# Altium PCB PA_8CH_CTRL.PcbDoc (part 1 of 11) (continued)
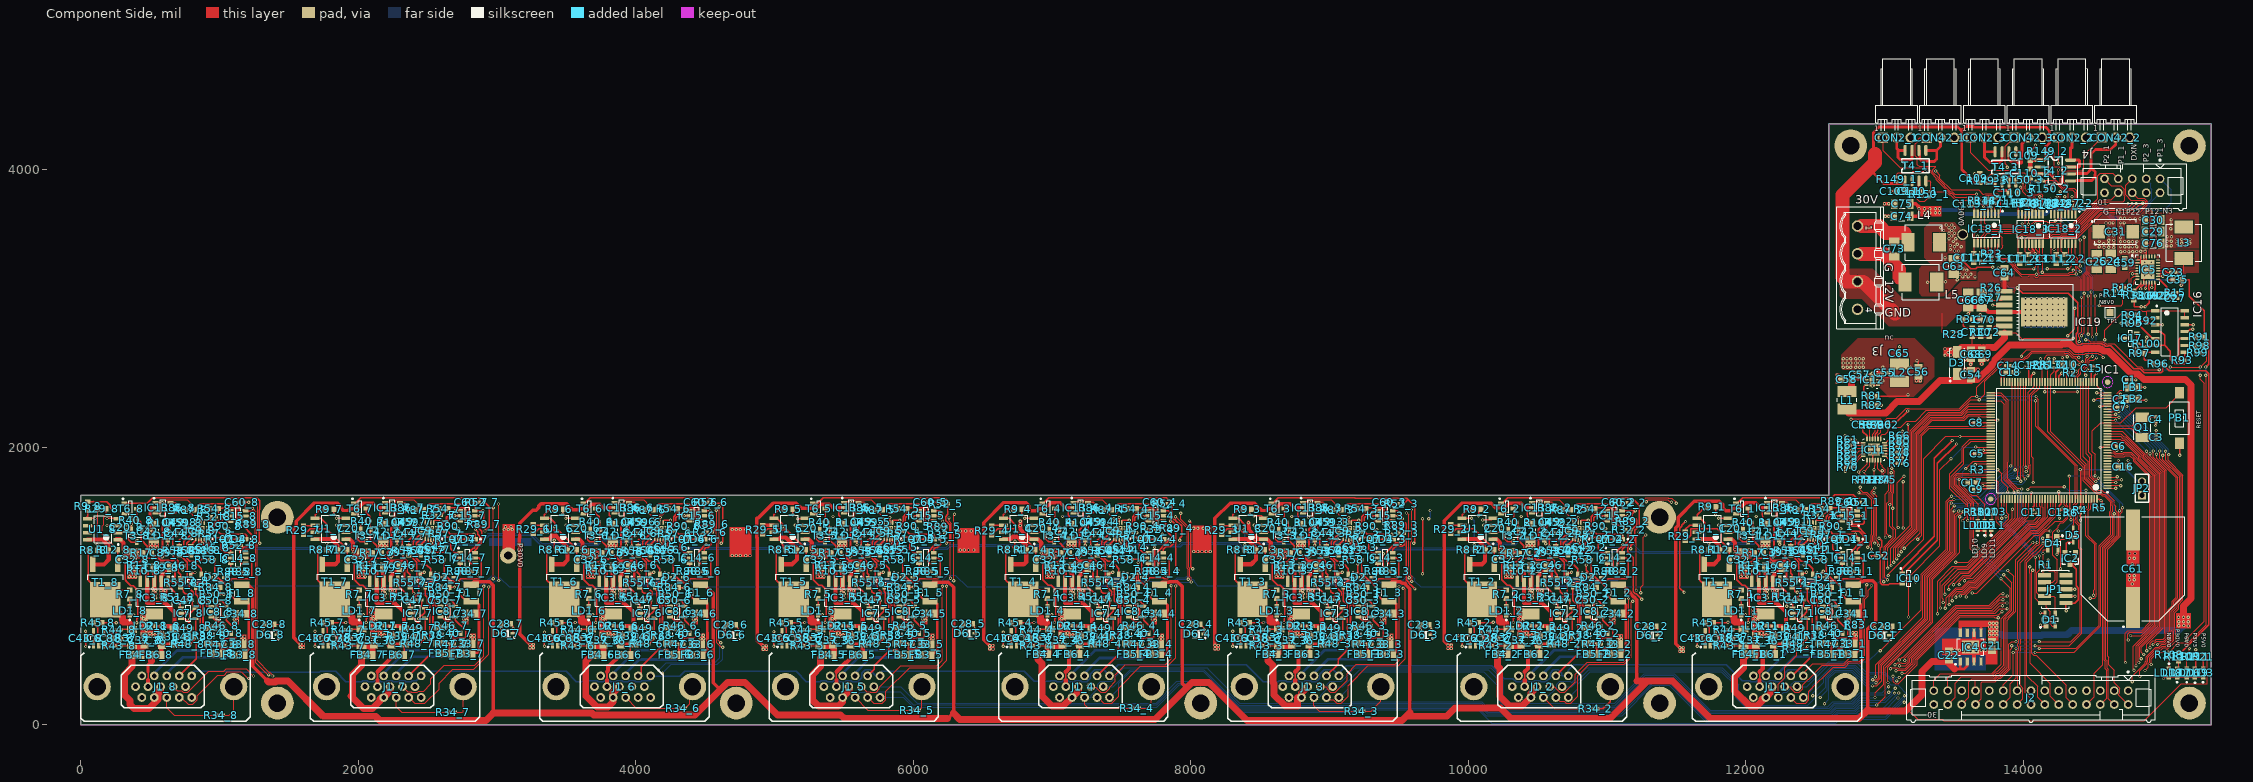
[diagram p0: Component Side view]
## Components (designator, comment, footprint, x,y, rotation, side; value= is the part's Value field where it differs from the comment) (continued)
C34_6 "1uF" CAPC2012X110N 4462.09,802.14 r0 top (schematic designator C34)
C34_7 "1uF" CAPC2012X110N 2808.54,802.14 r0 top (schematic designator C34)
C34_8 "1uF" CAPC2012X110N 1155,801 r0 top (schematic designator C34)
C35 "2.2uF" CAPC1608X87N 15111.86,3209.61 r180 top
C36_1 "1uF" CAPC2012X110N 12201.17,607.14 r270 top (schematic designator C36)
C36_2 "1uF" CAPC2012X110N 10508.26,607.14 r270 top (schematic designator C36)
C36_3 "1uF" CAPC2012X110N 8854.72,607.14 r270 top (schematic designator C36)
C36_4 "1uF" CAPC2012X110N 7201.17,607.14 r270 top (schematic designator C36)
C36_5 "1uF" CAPC2012X110N 5547.63,607.14 r270 top (schematic designator C36)
C36_6 "1uF" CAPC2012X110N 3894.09,607.14 r270 top (schematic designator C36)
C36_7 "1uF" CAPC2012X110N 2240.54,607.14 r270 top (schematic designator C36)
C36_8 "1uF" CAPC2012X110N 587,606 r270 top (schematic designator C36)
C37_1 "1uF" CAPC2012X110N 12074.17,610 r270 top (schematic designator C37)
C37_2 "1uF" CAPC2012X110N 10381.26,610 r270 top (schematic designator C37)
C37_3 "1uF" CAPC2012X110N 8727.72,610 r270 top (schematic designator C37)
C37_4 "1uF" CAPC2012X110N 7074.17,610 r270 top (schematic designator C37)
C37_5 "1uF" CAPC2012X110N 5420.63,610 r270 top (schematic designator C37)
C37_6 "1uF" CAPC2012X110N 3767.09,610 r270 top (schematic designator C37)
C37_7 "1uF" CAPC2012X110N 2113.54,610 r270 top (schematic designator C37)
C37_8 "1uF" CAPC2012X110N 460,608.86 r270 top (schematic designator C37)
C38_1 "10nF" CAPC1608X87N 11874.17,625 r180 top (schematic designator C38)
C38_2 "10nF" CAPC1608X87N 10181.26,625 r180 top (schematic designator C38)
C38_3 "10nF" CAPC1608X87N 8527.72,625 r180 top (schematic designator C38)
C38_4 "10nF" CAPC1608X87N 6874.17,625 r180 top (schematic designator C38)
C38_5 "10nF" CAPC1608X87N 5220.63,625 r180 top (schematic designator C38)
C38_6 "10nF" CAPC1608X87N 3567.09,625 r180 top (schematic designator C38)
C38_7 "10nF" CAPC1608X87N 1913.54,625 r180 top (schematic designator C38)
C38_8 "10nF" CAPC1608X87N 260,623.86 r180 top (schematic designator C38)
C39_1 "100nF" CAPC1005X55N 12233.17,1243.14 r180 top (schematic designator C39)
C39_2 "100nF" CAPC1005X55N 10540.26,1243.14 r180 top (schematic designator C39)
C39_3 "100nF" CAPC1005X55N 8886.72,1243.14 r180 top (schematic designator C39)
C39_4 "100nF" CAPC1005X55N 7233.17,1243.14 r180 top (schematic designator C39)
C39_5 "100nF" CAPC1005X55N 5579.63,1243.14 r180 top (schematic designator C39)
C39_6 "100nF" CAPC1005X55N 3926.09,1243.14 r180 top (schematic designator C39)
C39_7 "100nF" CAPC1005X55N 2272.54,1243.14 r180 top (schematic designator C39)
C39_8 "100nF" CAPC1005X55N 619,1242 r180 top (schematic designator C39)
C40_1 "10nF" CAPC1608X87N 12660.17,661.14 r180 top (schematic designator C40)
C40_2 "10nF" CAPC1608X87N 10967.26,661.14 r180 top (schematic designator C40)
C40_3 "10nF" CAPC1608X87N 9313.72,661.14 r180 top (schematic designator C40)
C40_4 "10nF" CAPC1608X87N 7660.17,661.14 r180 top (schematic designator C40)
C40_5 "10nF" CAPC1608X87N 6006.63,661.14 r180 top (schematic designator C40)
C40_6 "10nF" CAPC1608X87N 4353.09,661.14 r180 top (schematic designator C40)
C40_7 "10nF" CAPC1608X87N 2699.54,661.14 r180 top (schematic designator C40)
C40_8 "10nF" CAPC1608X87N 1046,660 r180 top (schematic designator C40)
C41_1 "10nF" CAPC1608X87N 12399.02,635.08 r180 top (schematic designator C41)
C41_2 "10nF" CAPC1608X87N 10706.1,635.08 r180 top (schematic designator C41)
C41_3 "10nF" CAPC1608X87N 9052.56,635.08 r180 top (schematic designator C41)
C41_4 "10nF" CAPC1608X87N 7399.02,635.08 r180 top (schematic designator C41)
C41_5 "10nF" CAPC1608X87N 5745.47,635.08 r180 top (schematic designator C41)
C41_6 "10nF" CAPC1608X87N 4091.93,635.08 r180 top (schematic designator C41)
C41_7 "10nF" CAPC1608X87N 2438.39,635.08 r180 top (schematic designator C41)
C41_8 "10nF" CAPC1608X87N 784.84,633.94 r180 top (schematic designator C41)
C42_1 "10uF" CAPC3216X140N 12142.13,1392.95 r90 top (schematic designator C42)
C42_2 "10uF" CAPC3216X140N 10449.21,1392.95 r90 top (schematic designator C42)
C42_3 "10uF" CAPC3216X140N 8795.67,1392.95 r90 top (schematic designator C42)
C42_4 "10uF" CAPC3216X140N 7142.13,1392.95 r90 top (schematic designator C42)
C42_5 "10uF" CAPC3216X140N 5488.58,1392.95 r90 top (schematic designator C42)
C42_6 "10uF" CAPC3216X140N 3835.04,1392.95 r90 top (schematic designator C42)
C42_7 "10uF" CAPC3216X140N 2181.5,1392.95 r90 top (schematic designator C42)
C42_8 "10uF" CAPC3216X140N 527.95,1391.81 r90 top (schematic designator C42)
C43_1 "100nF" CAPC1005X55N 11649.17,625 r90 top (schematic designator C43)
C43_2 "100nF" CAPC1005X55N 9956.26,625 r90 top (schematic designator C43)
C43_3 "100nF" CAPC1005X55N 8302.72,625 r90 top (schematic designator C43)
C43_4 "100nF" CAPC1005X55N 6649.17,625 r90 top (schematic designator C43)
C43_5 "100nF" CAPC1005X55N 4995.63,625 r90 top (schematic designator C43)
C43_6 "100nF" CAPC1005X55N 3342.09,625 r90 top (schematic designator C43)
C43_7 "100nF" CAPC1005X55N 1688.54,625 r90 top (schematic designator C43)
C43_8 "100nF" CAPC1005X55N 35,623.86 r90 top (schematic designator C43)
C44_1 "100nF" CAPC1005X55N 12340.17,1381.14 r180 top (schematic designator C44)
C44_2 "100nF" CAPC1005X55N 10647.26,1381.14 r180 top (schematic designator C44)
C44_3 "100nF" CAPC1005X55N 8993.72,1381.14 r180 top (schematic designator C44)
C44_4 "100nF" CAPC1005X55N 7340.17,1381.14 r180 top (schematic designator C44)
C44_5 "100nF" CAPC1005X55N 5686.63,1381.14 r180 top (schematic designator C44)
C44_6 "100nF" CAPC1005X55N 4033.09,1381.14 r180 top (schematic designator C44)
C44_7 "100nF" CAPC1005X55N 2379.54,1381.14 r180 top (schematic designator C44)
C44_8 "100nF" CAPC1005X55N 726,1380 r180 top (schematic designator C44)
C45_1 "100nF" CAPC1005X55N 12564.17,1279.14 r180 top (schematic designator C45)
C45_2 "100nF" CAPC1005X55N 10871.26,1279.14 r180 top (schematic designator C45)
C45_3 "100nF" CAPC1005X55N 9217.72,1279.14 r180 top (schematic designator C45)
C45_4 "100nF" CAPC1005X55N 7564.17,1279.14 r180 top (schematic designator C45)
C45_5 "100nF" CAPC1005X55N 5910.63,1279.14 r180 top (schematic designator C45)
C45_6 "100nF" CAPC1005X55N 4257.09,1279.14 r180 top (schematic designator C45)
C45_7 "100nF" CAPC1005X55N 2603.54,1279.14 r180 top (schematic designator C45)
C45_8 "100nF" CAPC1005X55N 950,1278 r180 top (schematic designator C45)
C46_1 "100nF" CAPC1005X55N 12340,1150 r0 top (schematic designator C46)
C46_2 "100nF" CAPC1005X55N 10645,1149 r0 top (schematic designator C46)
C46_3 "100nF" CAPC1005X55N 8994,1149 r0 top (schematic designator C46)
C46_4 "100nF" CAPC1005X55N 7341,1149 r0 top (schematic designator C46)
C46_5 "100nF" CAPC1005X55N 5687,1150 r0 top (schematic designator C46)
C46_6 "100nF" CAPC1005X55N 4033,1150 r0 top (schematic designator C46)
C46_7 "100nF" CAPC1005X55N 2379,1149 r0 top (schematic designator C46)
C46_8 "100nF" CAPC1005X55N 724,1148 r0 top (schematic designator C46)
C47_1 "100nF" CAPC1005X55N 12399.17,900 r0 top (schematic designator C47)
C47_2 "100nF" CAPC1005X55N 10706.26,900 r0 top (schematic designator C47)
C47_3 "100nF" CAPC1005X55N 9052.72,900 r0 top (schematic designator C47)
C47_4 "100nF" CAPC1005X55N 7399.17,900 r0 top (schematic designator C47)
C47_5 "100nF" CAPC1005X55N 5745.63,900 r0 top (schematic designator C47)
C47_6 "100nF" CAPC1005X55N 4092.09,900 r0 top (schematic designator C47)
C47_7 "100nF" CAPC1005X55N 2438.54,900 r0 top (schematic designator C47)
C47_8 "100nF" CAPC1005X55N 785,898.86 r0 top (schematic designator C47)
C48_1 "Undefined" CAPC1005X55N 12460.17,1260.14 r90 top (schematic designator C48)
C48_2 "Undefined" CAPC1005X55N 10767.26,1260.14 r90 top (schematic designator C48)
C48_3 "Undefined" CAPC1005X55N 9113.72,1260.14 r90 top (schematic designator C48)
C48_4 "Undefined" CAPC1005X55N 7460.17,1260.14 r90 top (schematic designator C48)
C48_5 "Undefined" CAPC1005X55N 5806.63,1260.14 r90 top (schematic designator C48)
C48_6 "Undefined" CAPC1005X55N 4153.09,1260.14 r90 top (schematic designator C48)
C48_7 "Undefined" CAPC1005X55N 2499.54,1260.14 r90 top (schematic designator C48)
C48_8 "Undefined" CAPC1005X55N 846,1259 r90 top (schematic designator C48)
C49_1 "100nF" CAPC1005X55N 12327.17,1462.14 r90 top (schematic designator C49)
C49_2 "100nF" CAPC1005X55N 10634.26,1462.14 r90 top (schematic designator C49)
C49_3 "100nF" CAPC1005X55N 8980.72,1462.14 r90 top (schematic designator C49)
C49_4 "100nF" CAPC1005X55N 7327.17,1462.14 r90 top (schematic designator C49)
C49_5 "100nF" CAPC1005X55N 5673.63,1462.14 r90 top (schematic designator C49)
C49_6 "100nF" CAPC1005X55N 4020.09,1462.14 r90 top (schematic designator C49)
C49_7 "100nF" CAPC1005X55N 2366.54,1462.14 r90 top (schematic designator C49)
C49_8 "100nF" CAPC1005X55N 713,1461 r90 top (schematic designator C49)
C50_1 "100nF" CAPC1005X55N 12585,898 r180 top (schematic designator C50)
C50_2 "100nF" CAPC1005X55N 10894,903 r180 top (schematic designator C50)
C50_3 "100nF" CAPC1005X55N 9239,899 r180 top (schematic designator C50)
C50_4 "100nF" CAPC1005X55N 7585,899 r180 top (schematic designator C50)
C50_5 "100nF" CAPC1005X55N 5931,900 r180 top (schematic designator C50)
C50_6 "100nF" CAPC1005X55N 4278,898 r180 top (schematic designator C50)
C50_7 "100nF" CAPC1005X55N 2624,899 r180 top (schematic designator C50)
C50_8 "100nF" CAPC1005X55N 971,896 r180 top (schematic designator C50)
C51_1 "100nF" CAPC1005X55N 12501.17,1261.14 r270 top (schematic designator C51)
C51_2 "100nF" CAPC1005X55N 10808.26,1261.14 r270 top (schematic designator C51)
C51_3 "100nF" CAPC1005X55N 9154.72,1261.14 r270 top (schematic designator C51)
C51_4 "100nF" CAPC1005X55N 7501.17,1261.14 r270 top (schematic designator C51)
C51_5 "100nF" CAPC1005X55N 5847.63,1261.14 r270 top (schematic designator C51)
C51_6 "100nF" CAPC1005X55N 4194.09,1261.14 r270 top (schematic designator C51)
C51_7 "100nF" CAPC1005X55N 2540.54,1261.14 r270 top (schematic designator C51)
C51_8 "100nF" CAPC1005X55N 887,1260 r270 top (schematic designator C51)
C52 "100nF" CAPC1005X55N 12957,1218 r180 top
C53 "100nF" CAPC1005X55N 12844.13,2161.52 r90 top
C54 "22uF" CAPC2012X135N 13623.03,2523.62 r90 top
C55 "100nF" CAPC1005X55N 13001,2538 r180 top
C56 "22uF" CAPC2012X135N 13244,2546 r90 top
C57 "100nF" CAPC1005X55N 12820,2522 r270 top
C58 "22uF" CAPC2012X135N 12727,2490 r0 top
C59 "100nF" CAPC1608X87N 14729.33,3329.72 r90 top
C60_1 "100nF" CAPC1005X55N 12775.51,1604.69 r0 top (schematic designator C60)
C60_2 "100nF" CAPC1005X55N 11082.6,1604.69 r0 top (schematic designator C60)
C60_3 "100nF" CAPC1005X55N 9429.06,1604.69 r0 top (schematic designator C60)
C60_4 "100nF" CAPC1005X55N 7775.51,1604.69 r0 top (schematic designator C60)
C60_5 "100nF" CAPC1005X55N 6121.97,1604.69 r0 top (schematic designator C60)
C60_6 "100nF" CAPC1005X55N 4468.43,1604.69 r0 top (schematic designator C60)
C60_7 "100nF" CAPC1005X55N 2814.88,1604.69 r0 top (schematic designator C60)
C60_8 "100nF" CAPC1005X55N 1161.34,1603.54 r0 top (schematic designator C60)
C61 "4700uF" CAPAE1900X1680N 14790,1125 r90 top
C62 "1nF" CAPC1005X55N 14951.86,3093.61 r90 top
C63 "10uF" CAPC3216X190N 13499.02,3304.13 r90 top
C64 "22uF" CAPC2012X135N 13864.17,3257.87 r270 top
C65 "100nF" CAPC1005X55N 13107,2677 r90 top
C66 "10uF" CAPC3216X190N 13602.36,3061.02 r90 top
C67 "10uF" CAPC3216X190N 13700.79,3061.02 r90 top
C68 "22uF" CAPC2012X135N 13623.03,2670.28 r90 top
C69 "22uF" CAPC2012X135N 13700.79,2671.26 r90 top
C70 "10nF" CAPC1608X87N 13721.46,2921.06 r0 top
C71 "10nF" CAPC1608X87N 13632.87,2829.53 r270 top
C72 "10nF" CAPC1608X87N 13752.95,2830.51 r270 top
C73 "10uF" CAPC3216X190N 13070,3430 r90 top
C74 "22uF" CAPC3216X180N 13125,3665 r0 top
C75 "22uF" CAPC3216X180N 13128,3755 r0 top
C76 "22uF" CAPC3216X180N 14935,3470 r180 top
C109_1 "1uF" CAPC1608X87N 13113.19,3846.46 r0 top (schematic designator C109)
C109_2 "1uF" CAPC1608X87N 14050,4100 r270 top (schematic designator C109)
C109_3 "1uF" CAPC1608X87N 13687.01,3940.94 r270 top (schematic designator C109)
C110_1 "1uF" CAPC1608X87N 13239.17,3847.44 r180 top (schematic designator C110)
C110_2 "1uF" CAPC1608X87N 14050,3975 r90 top (schematic designator C110)
C110_3 "1uF" CAPC1608X87N 13930.12,3833.66 r180 top (schematic designator C110)
C111_1 "1nF" CAPC1608X87N 13641.73,3365.16 r90 top (schematic designator C111)
C111_2 "1nF" CAPC1608X87N 14237.2,3358.27 r270 top (schematic designator C111)
C111_3 "1nF" CAPC1608X87N 13975.39,3358.27 r90 top (schematic designator C111)
C112_1 "1nF" CAPC1608X87N 13700.79,3365.16 r270 top (schematic designator C112)
C112_2 "1nF" CAPC1608X87N 14297.24,3358.27 r90 top (schematic designator C112)
C112_3 "1nF" CAPC1608X87N 14035.43,3358.27 r270 top (schematic designator C112)
C113_1 "100nF" CAPC0603X33N 13637.8,3754.92 r270 top (schematic designator C113)
C113_2 "100nF" CAPC0603X33N 14195.87,3751.97 r270 top (schematic designator C113)
C113_3 "100nF" CAPC0603X33N 13957.68,3753.94 r270 top (schematic designator C113)
CON2_1 "WF03R (any color) Maritex" MOLEX_22-05-7038 13087.61,4232.09 r0 top (schematic designator CON2)
CON2_2 "WF03R (any color) Maritex" MOLEX_22-05-7038 14351.39,4233.08 r0 top (schematic designator CON2)
CON2_3 "WF03R (any color) Maritex" MOLEX_22-05-7038 13720.48,4233.08 r0 top (schematic designator CON2)
CON42_1 "WF03R (any color) Maritex" MOLEX_22-05-7038 13402.57,4232.09 r0 top (schematic designator CON42)
CON42_2 "WF03R (any color) Maritex" MOLEX_22-05-7038 14666.35,4233.08 r0 top (schematic designator CON42)
CON42_3 "WF03R (any color) Maritex" MOLEX_22-05-7038 14035.45,4233.08 r0 top (schematic designator CON42)
D1 "PRTR5V0U2X" SOT190P230X110-4N 14192.91,757.87 r90 top
D2_1 "BAT165" SOD2512X110N 12600.31,1063.35 r0 top (schematic designator D2)
D2_2 "BAT165" SOD2512X110N 10907.4,1063.35 r0 top (schematic designator D2)
D2_3 "BAT165" SOD2512X110N 9253.86,1063.35 r0 top (schematic designator D2)
D2_4 "BAT165" SOD2512X110N 7600.31,1063.35 r0 top (schematic designator D2)
D2_5 "BAT165" SOD2512X110N 5946.77,1063.35 r0 top (schematic designator D2)
D2_6 "BAT165" SOD2512X110N 4293.23,1063.35 r0 top (schematic designator D2)
D2_7 "BAT165" SOD2512X110N 2639.69,1063.35 r0 top (schematic designator D2)
D2_8 "BAT165" SOD2512X110N 986.14,1062.2 r0 top (schematic designator D2)
D3 "SS16" DIOM5127X229N 13523.62,2608.27 r90 top
D4 "PRTR5V0U2X" SOT190P230X110-4N 14212.6,1309.06 r270 top
D5 "BAT165" SOD2512X110N 14360.24,1368.11 r90 top
D6_1 "BAT165" SOD2512X110N 12985,645 r180 top (schematic designator D6)
D6_2 "BAT165" SOD2512X110N 11315,645 r180 top (schematic designator D6)
D6_3 "BAT165" SOD2512X110N 9680.98,649.76 r180 top (schematic designator D6)
D6_4 "BAT165" SOD2512X110N 8045,655 r180 top (schematic designator D6)
D6_5 "BAT165" SOD2512X110N 6391.81,660.39 r180 top (schematic designator D6)
D6_6 "BAT165" SOD2512X110N 4690,650 r180 top (schematic designator D6)
D6_7 "BAT165" SOD2512X110N 3065,660 r180 top (schematic designator D6)
D6_8 "BAT165" SOD2512X110N 1364.33,648.98 r180 top (schematic designator D6)
F1_1 "50mA-30V" FUSRC3226X85N 12774.17,951.14 r270 top (schematic designator F1)
F1_2 "50mA-30V" FUSRC3226X85N 11081.26,951.14 r270 top (schematic designator F1)
F1_3 "50mA-30V" FUSRC3226X85N 9427.72,951.14 r270 top (schematic designator F1)
F1_4 "50mA-30V" FUSRC3226X85N 7774.17,951.14 r270 top (schematic designator F1)
F1_5 "50mA-30V" FUSRC3226X85N 6120.63,951.14 r270 top (schematic designator F1)
F1_6 "50mA-30V" FUSRC3226X85N 4467.09,951.14 r270 top (schematic designator F1)
F1_7 "50mA-30V" FUSRC3226X85N 2813.54,951.14 r270 top (schematic designator F1)
F1_8 "50mA-30V" FUSRC3226X85N 1160,950 r270 top (schematic designator F1)
FB1 "220R@100MHz" INDC2012X105N 14792,2432 r0 top
FB2 "220R@100MHz" INDC2012X105N 14793,2350 r0 top
FB3_1 "220R@100MHz" INDC2012X105N 12745,510 r180 top (schematic designator FB3)
FB3_2 "220R@100MHz" INDC2012X105N 11060,510 r180 top (schematic designator FB3)
FB3_3 "220R@100MHz" INDC2012X105N 9420,509 r180 top (schematic designator FB3)
FB3_4 "220R@100MHz" INDC2012X105N 7750,510 r180 top (schematic designator FB3)
FB3_5 "220R@100MHz" INDC2012X105N 6095,505 r180 top (schematic designator FB3)
FB3_6 "220R@100MHz" INDC2012X105N 4445,505 r180 top (schematic designator FB3)
FB3_7 "220R@100MHz" INDC2012X105N 2786,514 r180 top (schematic designator FB3)
FB3_8 "220R@100MHz" INDC2012X105N 1145,505 r180 top (schematic designator FB3)
FB4_1 "220R@100MHz" INDC2012X105N 12025,510 r0 top (schematic designator FB4)
FB4_2 "220R@100MHz" INDC2012X105N 10245,510 r0 top (schematic designator FB4)
FB4_3 "220R@100MHz" INDC2012X105N 8590,510 r0 top (schematic designator FB4)
FB4_4 "220R@100MHz" INDC2012X105N 6935,510 r0 top (schematic designator FB4)
FB4_5 "220R@100MHz" INDC2012X105N 5390,505 r0 top (schematic designator FB4)
FB4_6 "220R@100MHz" INDC2012X105N 3730,505 r0 top (schematic designator FB4)
FB4_7 "220R@100MHz" INDC2012X105N 2065,505 r0 top (schematic designator FB4)
FB4_8 "220R@100MHz" INDC2012X105N 400,505 r0 top (schematic designator FB4)
FB5_1 "220R@100MHz" INDC2012X105N 12590,510 r180 top (schematic designator FB5)
FB5_2 "220R@100MHz" INDC2012X105N 10900,510 r180 top (schematic designator FB5)
FB5_3 "220R@100MHz" INDC2012X105N 9250,510 r180 top (schematic designator FB5)
FB5_4 "220R@100MHz" INDC2012X105N 7590,510 r180 top (schematic designator FB5)
FB5_5 "220R@100MHz" INDC2012X105N 5940,505 r180 top (schematic designator FB5)
FB5_6 "220R@100MHz" INDC2012X105N 4285,505 r180 top (schematic designator FB5)
FB5_7 "220R@100MHz" INDC2012X105N 2630,515 r180 top (schematic designator FB5)
FB5_8 "220R@100MHz" INDC2012X105N 985,515 r180 top (schematic designator FB5)
FB6_1 "220R@100MHz" INDC2012X105N 12175,510 r0 top (schematic designator FB6)
FB6_2 "220R@100MHz" INDC2012X105N 10475,510 r0 top (schematic designator FB6)
FB6_3 "220R@100MHz" INDC2012X105N 8820,510 r0 top (schematic designator FB6)
FB6_4 "220R@100MHz" INDC2012X105N 7160,510 r0 top (schematic designator FB6)
FB6_5 "220R@100MHz" INDC2012X105N 5610,505 r0 top (schematic designator FB6)
FB6_6 "220R@100MHz" INDC2012X105N 3925,505 r0 top (schematic designator FB6)
FB6_7 "220R@100MHz" INDC2012X105N 2295,505 r0 top (schematic designator FB6)
FB6_8 "220R@100MHz" INDC2012X105N 545,505 r0 top (schematic designator FB6)
IC1 "STM32F407ZGT6" QFP50P2200X2200X160-144N 14186,2049 r180 top
IC2 "STM809SWX6F" SOT-23 14375,1242 r180 top
IC3_1 "TL1963ADCQR" SOT127P700X180-6N 12144.09,917.56 r270 top (schematic designator IC3)
IC3_2 "TL1963ADCQR" SOT127P700X180-6N 10451.18,917.56 r270 top (schematic designator IC3)
IC3_3 "TL1963ADCQR" SOT127P700X180-6N 8797.64,917.56 r270 top (schematic designator IC3)
IC3_4 "TL1963ADCQR" SOT127P700X180-6N 7144.09,917.56 r270 top (schematic designator IC3)
IC3_5 "TL1963ADCQR" SOT127P700X180-6N 5490.55,917.56 r270 top (schematic designator IC3)
IC3_6 "TL1963ADCQR" SOT127P700X180-6N 3837.01,917.56 r270 top (schematic designator IC3)
IC3_7 "TL1963ADCQR" SOT127P700X180-6N 2183.46,917.56 r270 top (schematic designator IC3)
IC3_8 "TL1963ADCQR" SOT127P700X180-6N 529.92,916.42 r270 top (schematic designator IC3)
IC4 "ADP7102ARDZ-5.0-R7" SOIC127P600X175-9N-R241X309 13620,561 r90 top
IC5 "LTC7149EUFD#PBF" QFN50P400X500X80_HS-29N 14896.86,3281.61 r0 top
IC6_1 "INA194AIDBVT" SOT95P280X145-5N 11744.17,625 r90 top (schematic designator IC6)
IC6_2 "INA194AIDBVT" SOT95P280X145-5N 10051.26,625 r90 top (schematic designator IC6)
IC6_3 "INA194AIDBVT" SOT95P280X145-5N 8397.72,625 r90 top (schematic designator IC6)
IC6_4 "INA194AIDBVT" SOT95P280X145-5N 6744.17,625 r90 top (schematic designator IC6)
IC6_5 "INA194AIDBVT" SOT95P280X145-5N 5090.63,625 r90 top (schematic designator IC6)
IC6_6 "INA194AIDBVT" SOT95P280X145-5N 3437.09,625 r90 top (schematic designator IC6)
IC6_7 "INA194AIDBVT" SOT95P280X145-5N 1783.54,625 r90 top (schematic designator IC6)
IC6_8 "INA194AIDBVT" SOT95P280X145-5N 130,623.86 r90 top (schematic designator IC6)
IC7_1 "INA194AIDBVT" SOT95P280X145-5N 12389.17,805 r0 top (schematic designator IC7)
IC7_2 "INA194AIDBVT" SOT95P280X145-5N 10696.26,805 r0 top (schematic designator IC7)
IC7_3 "INA194AIDBVT" SOT95P280X145-5N 9042.72,805 r0 top (schematic designator IC7)
IC7_4 "INA194AIDBVT" SOT95P280X145-5N 7389.17,805 r0 top (schematic designator IC7)
IC7_5 "INA194AIDBVT" SOT95P280X145-5N 5735.63,805 r0 top (schematic designator IC7)
IC7_6 "INA194AIDBVT" SOT95P280X145-5N 4082.09,805 r0 top (schematic designator IC7)
IC7_7 "INA194AIDBVT" SOT95P280X145-5N 2428.54,805 r0 top (schematic designator IC7)
IC7_8 "INA194AIDBVT" SOT95P280X145-5N 775,803.86 r0 top (schematic designator IC7)
IC8_1 "INA194AIDBVT" SOT95P280X145-5N 12606.17,817.14 r0 top (schematic designator IC8)
IC8_2 "INA194AIDBVT" SOT95P280X145-5N 10913.26,817.14 r0 top (schematic designator IC8)
IC8_3 "INA194AIDBVT" SOT95P280X145-5N 9259.72,817.14 r0 top (schematic designator IC8)
IC8_4 "INA194AIDBVT" SOT95P280X145-5N 7606.17,817.14 r0 top (schematic designator IC8)
IC8_5 "INA194AIDBVT" SOT95P280X145-5N 5952.63,817.14 r0 top (schematic designator IC8)
IC8_6 "INA194AIDBVT" SOT95P280X145-5N 4299.09,817.14 r0 top (schematic designator IC8)
IC8_7 "INA194AIDBVT" SOT95P280X145-5N 2645.54,817.14 r0 top (schematic designator IC8)
IC8_8 "INA194AIDBVT" SOT95P280X145-5N 992,816 r0 top (schematic designator IC8)
IC9_1 "ADS7924IRTET" TI-RTE16-1700X1700TP_V 12474.17,1400 r180 top (schematic designator IC9)
IC9_2 "ADS7924IRTET" TI-RTE16-1700X1700TP_V 10781.26,1400 r180 top (schematic designator IC9)
IC9_3 "ADS7924IRTET" TI-RTE16-1700X1700TP_V 9127.72,1400 r180 top (schematic designator IC9)
IC9_4 "ADS7924IRTET" TI-RTE16-1700X1700TP_V 7474.17,1400 r180 top (schematic designator IC9)
IC9_5 "ADS7924IRTET" TI-RTE16-1700X1700TP_V 5820.63,1400 r180 top (schematic designator IC9)
IC9_6 "ADS7924IRTET" TI-RTE16-1700X1700TP_V 4167.09,1400 r180 top (schematic designator IC9)
IC9_7 "ADS7924IRTET" TI-RTE16-1700X1700TP_V 2513.54,1400 r180 top (schematic designator IC9)
IC9_8 "ADS7924IRTET" TI-RTE16-1700X1700TP_V 860,1398.86 r180 top (schematic designator IC9)
IC10 "MCP1525T-I/TT" SOT95P251X112-3N 13174,1056 r0 top
IC11 "TCA9548ARGER" QFN50P400X400X100-25N-S220 12922.87,1984.35 r0 top
IC12 "TPS62175DQC" SON50P200X300X80-11N-R94X250 12911.2,2488.37 r0 top
IC13_1 "LT1964ES5-SD#TRMPBF" SOT95P280X100-5N 12206.61,1565.31 r0 top (schematic designator IC13)
IC13_2 "LT1964ES5-SD#TRMPBF" SOT95P280X100-5N 10513.7,1565.31 r0 top (schematic designator IC13)
IC13_3 "LT1964ES5-SD#TRMPBF" SOT95P280X100-5N 8860.16,1565.31 r0 top (schematic designator IC13)
IC13_4 "LT1964ES5-SD#TRMPBF" SOT95P280X100-5N 7206.61,1565.31 r0 top (schematic designator IC13)
IC13_5 "LT1964ES5-SD#TRMPBF" SOT95P280X100-5N 5553.07,1565.31 r0 top (schematic designator IC13)
IC13_6 "LT1964ES5-SD#TRMPBF" SOT95P280X100-5N 3899.53,1565.31 r0 top (schematic designator IC13)
IC13_7 "LT1964ES5-SD#TRMPBF" SOT95P280X100-5N 2245.98,1565.31 r0 top (schematic designator IC13)
IC13_8 "LT1964ES5-SD#TRMPBF" SOT95P280X100-5N 592.44,1564.17 r0 top (schematic designator IC13)
IC14_1 "LM3880-1AC/NOPB" SOT95P280X145-6N 12748.17,1203.14 r0 top (schematic designator IC14)
IC14_2 "LM3880-1AC/NOPB" SOT95P280X145-6N 11055.26,1203.14 r0 top (schematic designator IC14)
IC14_3 "LM3880-1AC/NOPB" SOT95P280X145-6N 9401.72,1203.14 r0 top (schematic designator IC14)
IC14_4 "LM3880-1AC/NOPB" SOT95P280X145-6N 7748.17,1203.14 r0 top (schematic designator IC14)
IC14_5 "LM3880-1AC/NOPB" SOT95P280X145-6N 6094.63,1203.14 r0 top (schematic designator IC14)
IC14_6 "LM3880-1AC/NOPB" SOT95P280X145-6N 4441.09,1203.14 r0 top (schematic designator IC14)
IC14_7 "LM3880-1AC/NOPB" SOT95P280X145-6N 2787.54,1203.14 r0 top (schematic designator IC14)
IC14_8 "LM3880-1AC/NOPB" SOT95P280X145-6N 1134,1202 r0 top (schematic designator IC14)
IC15_1 "DAC7571DBV" SOT95P280X145-6N 12747.95,1506.26 r180 top (schematic designator IC15)
IC15_2 "DAC7571DBV" SOT95P280X145-6N 11055.04,1506.26 r180 top (schematic designator IC15)
IC15_3 "DAC7571DBV" SOT95P280X145-6N 9401.5,1506.26 r180 top (schematic designator IC15)
IC15_4 "DAC7571DBV" SOT95P280X145-6N 7747.95,1506.26 r180 top (schematic designator IC15)
IC15_5 "DAC7571DBV" SOT95P280X145-6N 6094.41,1506.26 r180 top (schematic designator IC15)
IC15_6 "DAC7571DBV" SOT95P280X145-6N 4440.87,1506.26 r180 top (schematic designator IC15)
IC15_7 "DAC7571DBV" SOT95P280X145-6N 2787.32,1506.26 r180 top (schematic designator IC15)
IC15_8 "DAC7571DBV" SOT95P280X145-6N 1133.78,1505.12 r180 top (schematic designator IC15)
IC16 "LP339M/NOPB" SOIC127P600X175-14N 15056.07,2834.63 r0 top
IC17 "TS3431ILT" SOT95P237X112-3N 14771.65,2785.43 r180 top
IC18_1 "MAX6639AEE+" SOP63P600X175-16N 13733.27,3576.77 r270 top (schematic designator IC18)
IC18_2 "MAX6639AEE+" SOP63P600X175-16N 14287.4,3574.8 r270 top (schematic designator IC18)
IC18_3 "MAX6639AEE+" SOP63P600X175-16N 14052.17,3572.83 r270 top (schematic designator IC18)
IC19 "LMZ14203HTZX/NOPB" "TEXAS_TO-PMOD (NDW)" 14087.6,2975.2 r0 top
J1_1 "HD-Sub" TYCO_1932144-1 12224.41,275.59 r0 top locked (schematic designator J1)
J1_2 "HD-Sub" TYCO_1932144-1 10531.5,275.59 r0 top locked (schematic designator J1)
J1_3 "HD-Sub" TYCO_1932144-1 8877.95,275.59 r0 top locked (schematic designator J1)
J1_4 "HD-Sub" TYCO_1932144-1 7224.41,275.59 r0 top locked (schematic designator J1)
J1_5 "HD-Sub" TYCO_1932144-1 5570.87,275.59 r0 top locked (schematic designator J1)
J1_6 "HD-Sub" TYCO_1932144-1 3917.32,275.59 r0 top locked (schematic designator J1)
J1_7 "HD-Sub" TYCO_1932144-1 2263.78,275.59 r0 top locked (schematic designator J1)
J1_8 "HD-Sub" TYCO_1932144-1 610.24,275.59 r0 top locked (schematic designator J1)
J2 "Familly" 3M_N2530-6002RB 14055.12,196.85 r180 top
J3 "Family" PHOENIX_1755752 12805,3295 r270 top
J4 "Header 10" 3M_N2510-6003RB 14785,3885 r180 top
JP1 "PLHTD10S-TR-CV" PLHTD10S-TR-CV 14230,1103 r90 top
JP2 "1798942 (goldpin 2x 2.54)" jump 14855,1655 r180 top
L1 "10uH" IND_MURATA-PS_8400 12730,2341 r90 top
L2 "10uH" IND_MURATA-PS_8400 13108.05,2537.58 r90 top
L3 "6.8uH" INDM6965X300N 15157.48,3474.41 r90 top
L4 "6.8uH" INDM6965X300N 13282.48,3477.36 r0 top
L5 "6.8uH" INDM6965X300N 13261.81,3191.93 r0 top
LD1_1 "Green" LED_KINGBRIGHT_KPH-1608CGCK 11966.93,823.07 r90 top (schematic designator LD1)
LD1_2 "Green" LED_KINGBRIGHT_KPH-1608CGCK 10274.02,823.07 r90 top (schematic designator LD1)
LD1_3 "Green" LED_KINGBRIGHT_KPH-1608CGCK 8620.47,823.07 r90 top (schematic designator LD1)
LD1_4 "Green" LED_KINGBRIGHT_KPH-1608CGCK 6966.93,823.07 r90 top (schematic designator LD1)
LD1_5 "Green" LED_KINGBRIGHT_KPH-1608CGCK 5313.39,823.07 r90 top (schematic designator LD1)
LD1_6 "Green" LED_KINGBRIGHT_KPH-1608CGCK 3659.84,823.07 r90 top (schematic designator LD1)
LD1_7 "Green" LED_KINGBRIGHT_KPH-1608CGCK 2006.3,823.07 r90 top (schematic designator LD1)
LD1_8 "Green" LED_KINGBRIGHT_KPH-1608CGCK 352.76,821.93 r90 top (schematic designator LD1)
LD2_1 "Green" LED_KINGBRIGHT_KPH-1608CGCK 12114.17,716.14 r0 top (schematic designator LD2)
LD2_2 "Green" LED_KINGBRIGHT_KPH-1608CGCK 10421.26,716.14 r0 top (schematic designator LD2)
LD2_3 "Green" LED_KINGBRIGHT_KPH-1608CGCK 8767.72,716.14 r0 top (schematic designator LD2)
LD2_4 "Green" LED_KINGBRIGHT_KPH-1608CGCK 7114.17,716.14 r0 top (schematic designator LD2)
LD2_5 "Green" LED_KINGBRIGHT_KPH-1608CGCK 5460.63,716.14 r0 top (schematic designator LD2)
LD2_6 "Green" LED_KINGBRIGHT_KPH-1608CGCK 3807.09,716.14 r0 top (schematic designator LD2)
LD2_7 "Green" LED_KINGBRIGHT_KPH-1608CGCK 2153.54,716.14 r0 top (schematic designator LD2)
LD2_8 "Green" LED_KINGBRIGHT_KPH-1608CGCK 500,715 r0 top (schematic designator LD2)
LD3 "Green" LED_KINGBRIGHT_KPH-1608CGCK 15295.28,374.02 r90 top
LD4_1 "Hyper Red" LED_KINGBRIGHT_KPH-1608SURCK 12775.59,1338.58 r180 top (schematic designator LD4)
LD4_2 "Hyper Red" LED_KINGBRIGHT_KPH-1608SURCK 11082.68,1338.58 r180 top (schematic designator LD4)
LD4_3 "Hyper Red" LED_KINGBRIGHT_KPH-1608SURCK 9429.13,1338.58 r180 top (schematic designator LD4)
LD4_4 "Hyper Red" LED_KINGBRIGHT_KPH-1608SURCK 7775.59,1338.58 r180 top (schematic designator LD4)
LD4_5 "Hyper Red" LED_KINGBRIGHT_KPH-1608SURCK 6122.05,1338.58 r180 top (schematic designator LD4)
LD4_6 "Hyper Red" LED_KINGBRIGHT_KPH-1608SURCK 4468.5,1338.58 r180 top (schematic designator LD4)
LD4_7 "Hyper Red" LED_KINGBRIGHT_KPH-1608SURCK 2814.96,1338.58 r180 top (schematic designator LD4)
LD4_8 "Hyper Red" LED_KINGBRIGHT_KPH-1608SURCK 1161.42,1338.58 r180 top (schematic designator LD4)
LD9 "Green" LED_OSRAM_LGL29K 13720.47,1437.01 r90 top
LD10 "Green" LED_OSRAM_LGL29K 13671.26,1437.01 r90 top
LD11 "Green" LED_OSRAM_LGL29K 13769.68,1437.01 r90 top
LD12_1 "Green" LED_KINGBRIGHT_KPH-1608CGCK 12240.17,1363.14 r270 top (schematic designator LD12)
LD12_2 "Green" LED_KINGBRIGHT_KPH-1608CGCK 10547.26,1363.14 r270 top (schematic designator LD12)
LD12_3 "Green" LED_KINGBRIGHT_KPH-1608CGCK 8893.72,1363.14 r270 top (schematic designator LD12)
LD12_4 "Green" LED_KINGBRIGHT_KPH-1608CGCK 7240.17,1363.14 r270 top (schematic designator LD12)
LD12_5 "Green" LED_KINGBRIGHT_KPH-1608CGCK 5586.63,1363.14 r270 top (schematic designator LD12)
LD12_6 "Green" LED_KINGBRIGHT_KPH-1608CGCK 3933.09,1363.14 r270 top (schematic designator LD12)
LD12_7 "Green" LED_KINGBRIGHT_KPH-1608CGCK 2279.54,1363.14 r270 top (schematic designator LD12)
LD12_8 "Green" LED_KINGBRIGHT_KPH-1608CGCK 626,1362 r270 top (schematic designator LD12)
LD16 "Green" LED_KINGBRIGHT_KPH-1608CGCK 15177.17,374.02 r90 top
LD17 "Green" LED_KINGBRIGHT_KPH-1608CGCK 15108.27,374.02 r90 top
LD18 "Green" LED_KINGBRIGHT_KPH-1608CGCK 15049.21,374.02 r270 top
LD19 "Green" LED_OSRAM_LGL29K 15236.22,374.02 r90 top
PB1 "Push Button" PB_TYCO_FSMSM 15125,2212 r270 top
Q1 "8MHz" XTAL_TXC_7A 14857,2144 r90 top
R1 "10k" RESC1005X40N 14160,1154 r180 top
R2 "10k" RESC1005X40N 14338,2538 r180 top
R3 "10k" RESC1005X40N 13670,1837 r180 top
R4 "10k" RESC1005X40N 14409.47,1546.22 r270 top
R5 "49R9" RESC1005X40N 14550,1565 r180 top
R6 "10k" RESC1005X40N 14343,1530 r90 top
R7_1 "56k" RESC1608X55N 11966.93,941.18 r90 top (schematic designator R7)
R7_2 "56k" RESC1608X55N 10274.02,941.18 r90 top (schematic designator R7)
R7_3 "56k" RESC1608X55N 8620.47,941.18 r90 top (schematic designator R7)
R7_4 "56k" RESC1608X55N 6966.93,941.18 r90 top (schematic designator R7)
R7_5 "56k" RESC1608X55N 5313.39,941.18 r90 top (schematic designator R7)
R7_6 "56k" RESC1608X55N 3659.84,941.18 r90 top (schematic designator R7)
R7_7 "56k" RESC1608X55N 2006.3,941.18 r90 top (schematic designator R7)
R7_8 "56k" RESC1608X55N 352.76,940.04 r90 top (schematic designator R7)
R8_1 "16k" RESC1608X55N 11704.17,1261.14 r180 top (schematic designator R8)
R8_2 "16k" RESC1608X55N 10011.26,1261.14 r180 top (schematic designator R8)
R8_3 "16k" RESC1608X55N 8357.72,1261.14 r180 top (schematic designator R8)
R8_4 "16k" RESC1608X55N 6704.17,1261.14 r180 top (schematic designator R8)
R8_5 "16k" RESC1608X55N 5050.63,1261.14 r180 top (schematic designator R8)
R8_6 "16k" RESC1608X55N 3397.09,1261.14 r180 top (schematic designator R8)
R8_7 "16k" RESC1608X55N 1743.54,1261.14 r180 top (schematic designator R8)
R8_8 "16k" RESC1608X55N 90,1260 r180 top (schematic designator R8)
R9_1 "1k5" RESC1608X55N 11753,1571 r180 top (schematic designator R9)
R9_2 "1k5" RESC1608X55N 10060.43,1554.37 r180 top (schematic designator R9)
R9_3 "1k5" RESC1608X55N 8406.89,1554.37 r180 top (schematic designator R9)
R9_4 "1k5" RESC1608X55N 6753.35,1554.37 r180 top (schematic designator R9)
R9_5 "1k5" RESC1608X55N 5099.8,1554.37 r180 top (schematic designator R9)
R9_6 "1k5" RESC1608X55N 3446.26,1554.37 r180 top (schematic designator R9)
R9_7 "1k5" RESC1608X55N 1792.72,1554.37 r180 top (schematic designator R9)
R9_8 "1k5" RESC1608X55N 51.18,1576.77 r270 top (schematic designator R9)
R10_1 "12k" RESC1005X40N 12068.31,1110.47 r0 top (schematic designator R10)
R10_2 "12k" RESC1005X40N 10375.39,1110.47 r0 top (schematic designator R10)
R10_3 "12k" RESC1005X40N 8721.85,1110.47 r0 top (schematic designator R10)
R10_4 "12k" RESC1005X40N 7068.31,1110.47 r0 top (schematic designator R10)
R10_5 "12k" RESC1005X40N 5414.76,1110.47 r0 top (schematic designator R10)
R10_6 "12k" RESC1005X40N 3761.22,1110.47 r0 top (schematic designator R10)
R10_7 "12k" RESC1005X40N 2107.68,1110.47 r0 top (schematic designator R10)
R10_8 "12k" RESC1005X40N 454.13,1109.33 r0 top (schematic designator R10)
R11_1 "10k" RESC1005X40N 12207.09,711.85 r180 top (schematic designator R11)
R11_2 "10k" RESC1005X40N 10514.17,711.85 r180 top (schematic designator R11)
R11_3 "10k" RESC1005X40N 8860.63,711.85 r180 top (schematic designator R11)
R11_4 "10k" RESC1005X40N 7207.09,711.85 r180 top (schematic designator R11)
R11_5 "10k" RESC1005X40N 5553.54,711.85 r180 top (schematic designator R11)
R11_6 "10k" RESC1005X40N 3900,711.85 r180 top (schematic designator R11)
R11_7 "10k" RESC1005X40N 2246.46,711.85 r180 top (schematic designator R11)